# KiCad board Pico Debugger.kicad_pcb
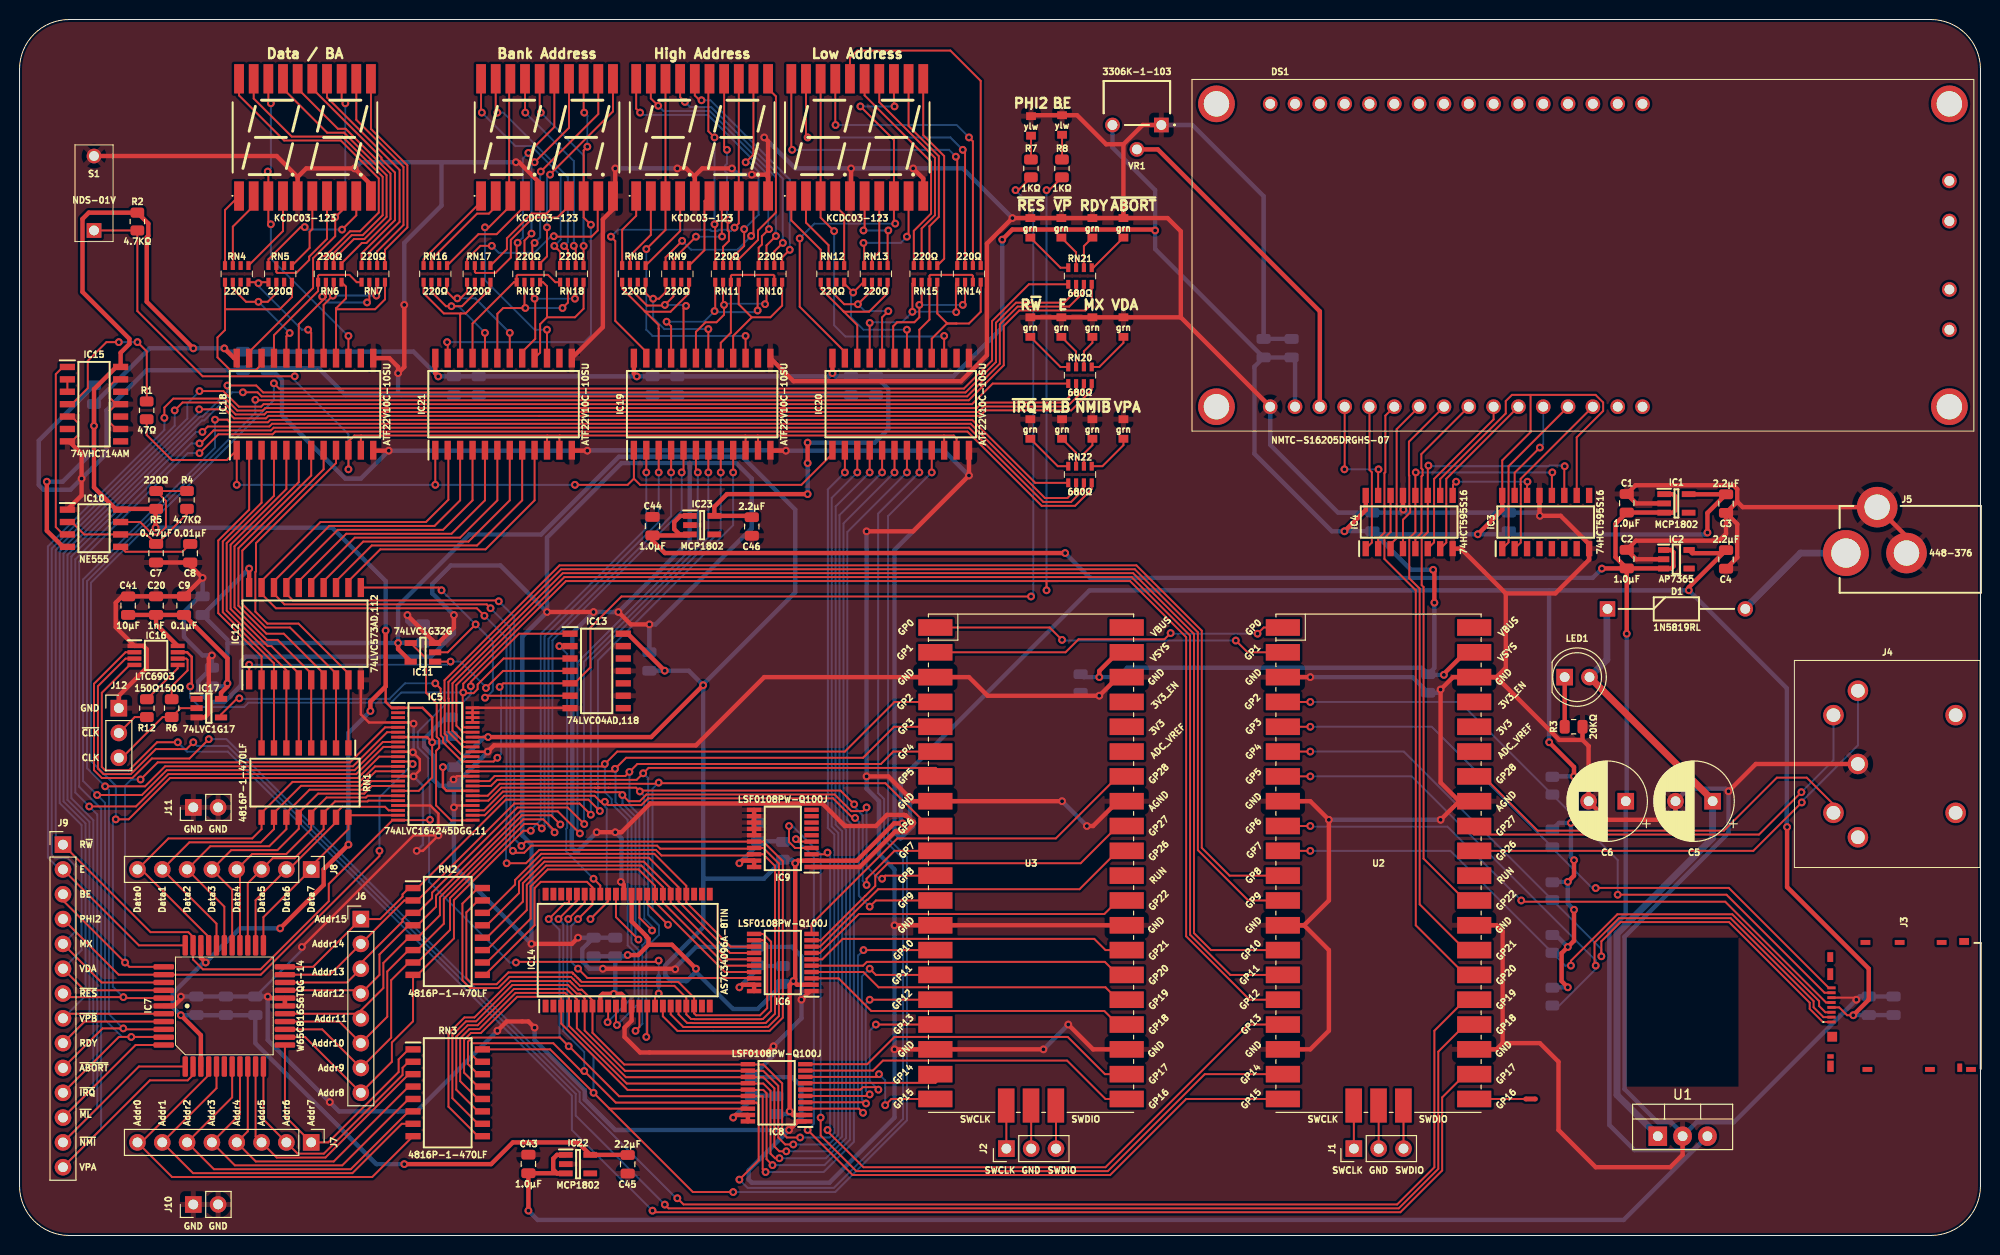
[diagram p0: board, top side]
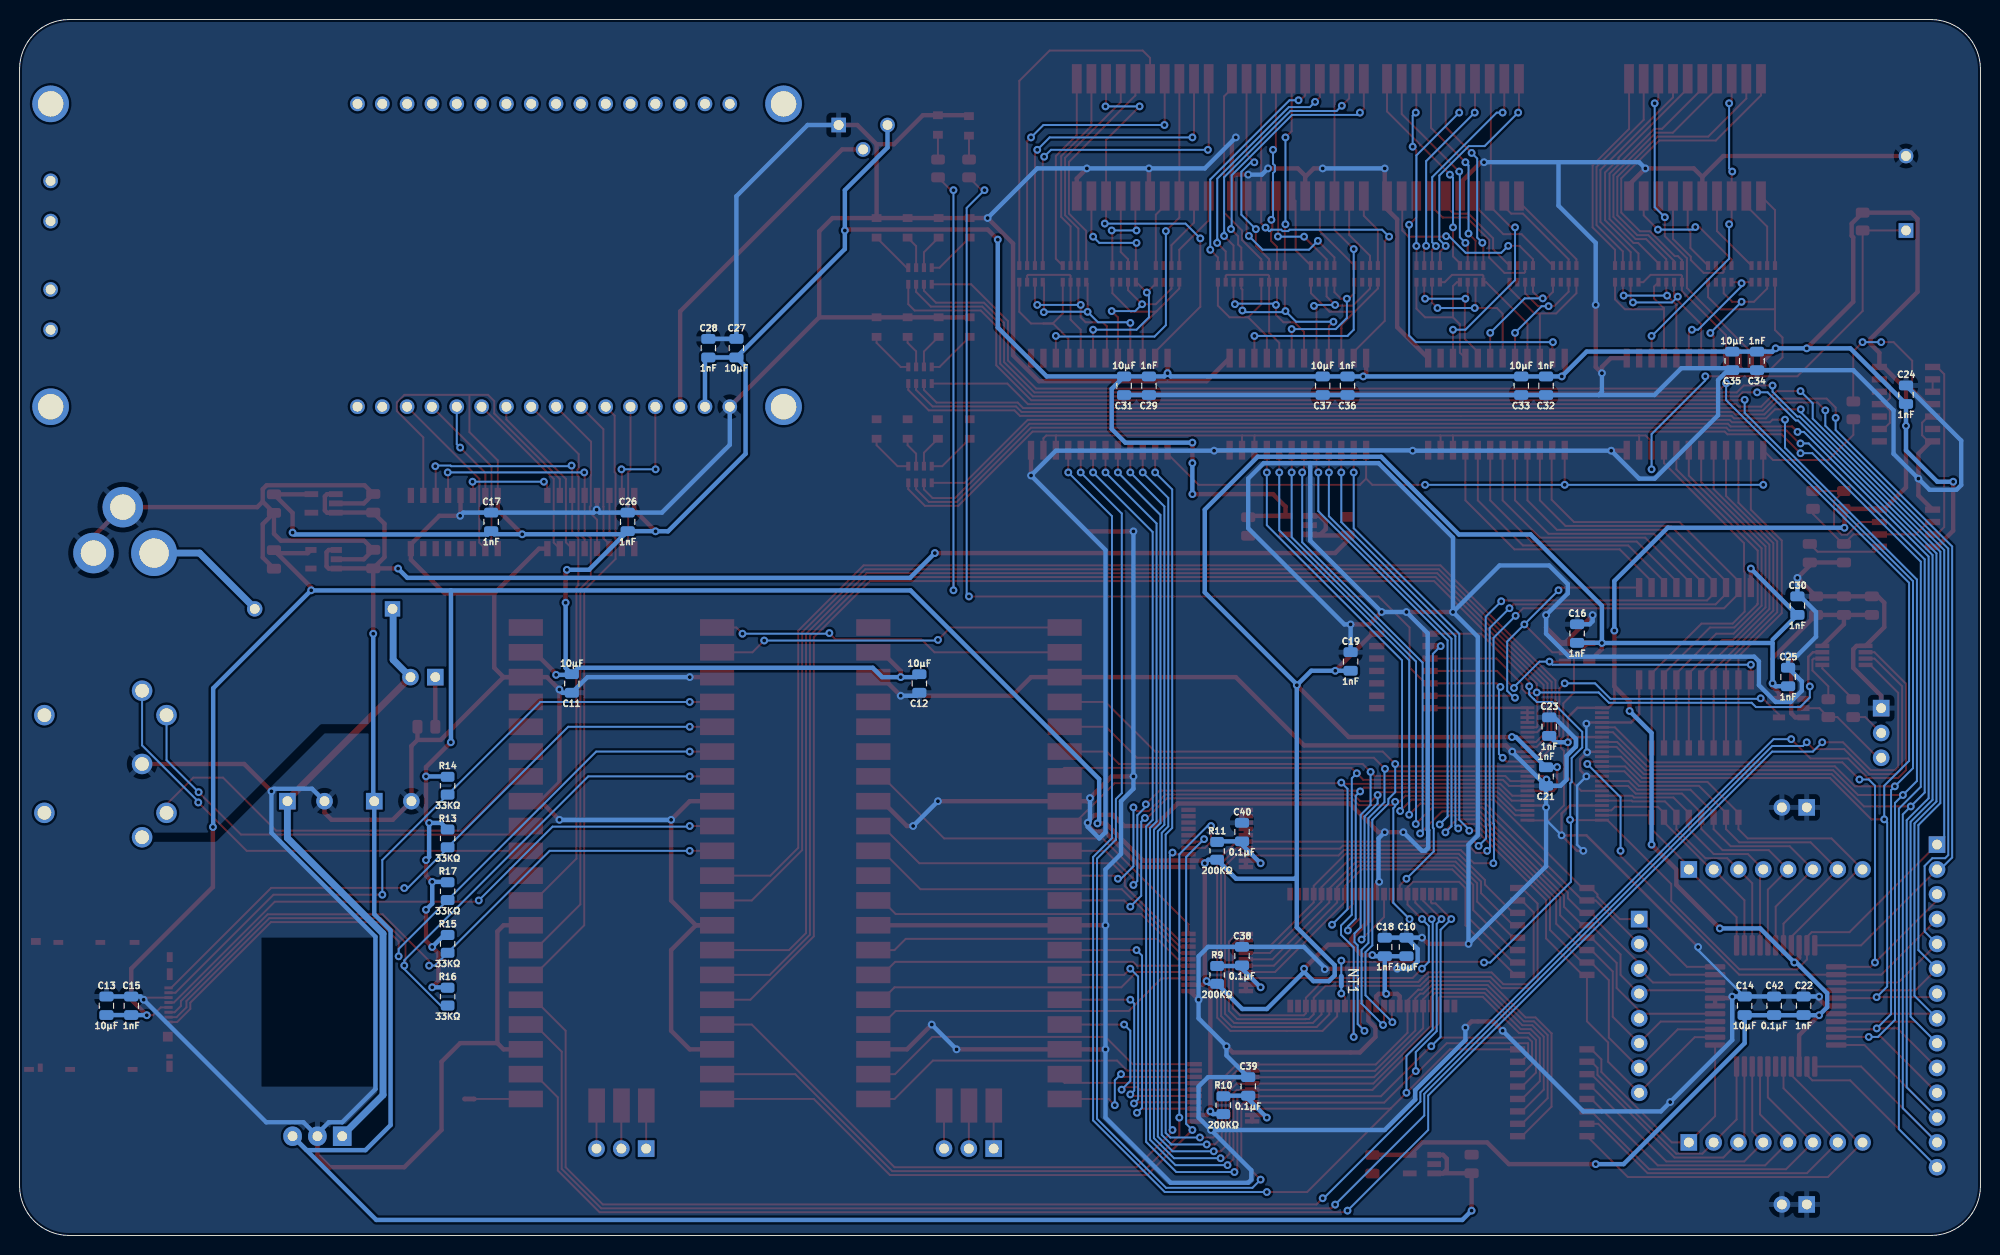
[diagram p1: board, bottom side, seen from below]

Outline 200.66 x 124.46 mm; copper layers: Top, Bottom. Coordinates in mm from the lower left corner of the outline.
Outline path: 0,119.38 arc(1.49,122.97) 5.08,124.46 195.58,124.46 arc(199.17,122.97) 200.66,119.38 200.66,5.08 arc(199.17,1.49) 195.58,0 5.08,0 arc(1.49,1.49) 0,5.08 0,119.38
Stack: Top 0.035mm / dielectric 1.51mm FR4 er 4.5 / Bottom 0.035mm

## Placement (name value [footprint] x y rotation side)
C1  -  [C_0805]  164.46 74.93 0 top
C2  -  [C_0805]  164.46 69.22 0 top
C3  -  [C_0805]  174.62 74.93 180 top
C4  -  [C_0805]  174.62 69.22 180 top
C5  C_Polarized  [CP_Radial_D8.0mm_P3.80mm]  173.25 44.45 180 top
C6  C_Polarized  [CP_Radial_D8.0mm_P3.80mm]  164.36 44.45 180 top
C7  -  [C_0805]  13.97 69.85 180 top
C8  -  [C_0805]  17.46 69.85 180 top
C9  -  [C_0805]  16.83 64.45 0 top
C10  -  [C_0805]  58.74 29.51 180 bottom
C11  -  [C_0805]  144.14 56.52 0 bottom
C12  -  [C_0805]  108.58 56.52 0 bottom
C13  -  [C_0805]  191.77 23.5 180 bottom
C14  -  [C_0805]  24.13 23.5 180 bottom
C15  -  [C_0805]  189.23 23.5 180 bottom
C16  -  [C_0805]  41.28 61.6 180 bottom
C17  -  [C_0805]  152.4 73.03 180 bottom
C18  -  [C_0805]  60.96 29.51 180 bottom
C19  -  [C_0805]  64.45 58.74 180 bottom
C20  -  [C_0805]  13.97 64.45 0 top
C21  -  [C_0805]  44.45 46.99 0 bottom
C22  -  [C_0805]  18.1 23.5 180 bottom
C23  -  [C_0805]  44.13 52.07 180 bottom
C24  -  [C_0805]  7.62 86.04 180 bottom
C25  -  [C_0805]  19.69 57.15 180 bottom
C26  -  [C_0805]  138.43 73.03 180 bottom
C27  -  [C_0805]  127.3 90.81 180 bottom
C28  -  [C_0805]  130.18 90.81 180 bottom
C29  -  [C_0805]  85.09 87 0 bottom
C30  -  [C_0805]  18.73 64.45 180 bottom
C31  -  [C_0805]  87.63 87 0 bottom
C32  -  [C_0805]  44.45 87 0 bottom
C33  -  [C_0805]  46.99 87 0 bottom
C34  -  [C_0805]  22.86 89.54 0 bottom
C35  -  [C_0805]  25.4 89.54 0 bottom
C36  -  [C_0805]  64.77 87 0 bottom
C37  -  [C_0805]  67.31 87 0 bottom
C38  -  [C_0805]  75.56 28.58 180 bottom
C39  -  [C_0805]  74.93 15.24 180 bottom
C40  -  [C_0805]  75.56 41.28 180 bottom
C41  -  [C_0805]  11.11 64.45 0 top
C42  -  [C_0805]  21.11 23.5 180 bottom
C43  -  [C_0805]  52.07 7.3 0 top
C44  -  [C_0805]  64.77 72.59 0 top
C45  -  [C_0805]  62.23 7.3 180 top
C46  -  [C_0805]  74.93 72.59 180 top
D1  1N5819RL  [DIOAD1414W86L464D238]  162.5 64.13 0 top
DS1  NMTC-S16205DRGHS-07  [NMTCS16205DRGHS07_1]  127.98 84.83 0 top
DS2  KCDC03-123  [KCDC03123]  29.21 112.4 0 top
DS3  KCDC03-123  [KCDC03123]  69.85 112.4 0 top
DS4  KCDC03-123  [KCDC03123]  85.72 112.4 0 top
DS5  KCDC03-123  [KCDC03123]  53.97 112.4 0 top
IC1  MCP1802T-5002I_OT  [SOT95P270X145-5N]  169.55 74.93 0 top
IC2  AP7365-33WG-7  [SOT95P285X130-5N]  169.55 69.22 0 top
IC3  74HCT595S16  [SOIC127P600X175-16N]  156.17 73.03 90 top
IC4  74HCT595S16  [SOIC127P600X175-16N]  142.2 73.03 90 top
IC5  74ALVC164245DGG,11  [SOP50P810X120-48N]  42.55 48.26 0 top
IC6  LSF0108PW-Q100J  [SOP65P640X110-20N]  78.11 27.94 180 top
IC7  W65C816S6TQG-14  [W65C816 PLCC 0.8mm 44 Pin]  20.95 23.5 90 top
IC8  LSF0108PW-Q100J  [SOP65P640X110-20N]  77.47 14.61 180 top
IC9  LSF0108PW-Q100J  [SOP65P640X110-20N]  78.11 40.64 180 top
IC10  NE555DRG4  [SOIC127P600X175-8N]  7.62 72.39 0 top
IC11  74LVC1G32GV,125  [SOT95P275X110-5N]  41.28 59.69 180 top
IC12  74LVC573AD,112  [SOIC127P1032X265-20N]  29.21 61.6 90 top
IC13  74LVC04AD,118  [SOIC127P600X175-14N]  59.05 57.79 0 top
IC14  AS7C34096A-8TIN  [SOP80P1176X120-44N]  62.23 29.21 90 top
IC15  74VHCT14AM  [SOIC127P600X175-14N]  7.62 85.09 0 top
IC16  LTC6903CMS8#PBF  [SOP65P490X110-8N]  13.97 59.37 0 top
IC17  74LVC1G17GV,125  [SOT95P275X110-5N]  19.37 53.98 0 top
IC18  ATF22V10C-10SU  [SOIC127P1032X265-24N]  29.21 85.09 90 top
IC19  ATF22V10C-10SU  [SOIC127P1032X265-24N]  69.85 85.09 90 top
IC20  ATF22V10C-10SU  [SOIC127P1032X265-24N]  90.17 85.09 90 top
IC21  ATF22V10C-10SU  [SOIC127P1032X265-24N]  49.53 85.09 90 top
IC22  MCP1802T-5002I_OT  [SOT95P270X145-5N]  57.15 7.3 0 top
IC23  MCP1802T-5002I_OT  [SOT95P270X145-5N]  69.85 72.71 0 top
J1  Conn_01x03_Male  [PinHeader_1x03_P2.54mm_Vertical]  136.54 8.89 90 top
J2  Conn_01x03_Male  [PinHeader_1x03_P2.54mm_Vertical]  100.98 8.89 90 top
J3  SDHR-8BRS-K-363-A0-S-ETB(HF)  [SDHR8BRSK363A0SETBHF]  193.04 23.5 90 top
J4  491-087  [491087]  198.12 43.26 180 top
J5  448-376  [448376]  198.12 69.85 0 top
J6  Conn_01x08_Male  [PinHeader_1x08_P2.54mm_Vertical]  34.92 32.39 0 top
J7  Conn_01x08_Male  [PinHeader_1x08_P2.54mm_Vertical]  29.84 9.53 270 top
J8  Conn_01x08_Male  [PinHeader_1x08_P2.54mm_Vertical]  29.84 37.47 270 top
J9  Conn_01x14_Male  [PinHeader_1x14_P2.54mm_Vertical]  4.45 40.01 0 top
J10  Conn_01x02_Male  [PinHeader_1x02_P2.54mm_Vertical]  17.78 3.18 90 top
J11  Conn_01x02_Male  [PinHeader_1x02_P2.54mm_Vertical]  17.78 43.82 90 top
J12  Conn_01x03_Male  [PinHeader_1x03_P2.54mm_Vertical]  10.16 53.98 0 top
LED1  LED_Small_Filled  [LED_D5.0mm]  158.12 57.15 0 top
LED2  150224YS73100A  [150224BS73100A]  103.51 113.57 180 top
LED3  150224YS73100A  [150224BS73100A]  106.68 113.67 180 top
LED4  -  [150224VS73100A]  103.43 92.98 180 top
LED5  -  [150224VS73100A]  106.61 92.98 180 top
LED6  -  [150224VS73100A]  109.79 92.98 180 top
LED7  -  [150224VS73100A]  112.96 92.98 180 top
LED8  -  [150224VS73100A]  103.43 103.14 180 top
LED9  -  [150224VS73100A]  106.61 103.14 180 top
LED10  -  [150224VS73100A]  109.79 103.14 180 top
LED11  -  [150224VS73100A]  112.96 103.14 180 top
LED12  -  [150224VS73100A]  103.43 82.55 180 top
LED13  -  [150224VS73100A]  106.68 82.55 180 top
LED14  -  [150224VS73100A]  109.79 82.55 180 top
LED15  -  [150224VS73100A]  112.96 82.55 180 top
NT1  NetTie  [NetTie-2_SMD_Pad0.5mm]  65.41 26.04 270 bottom
NT2  NetTie  [NetTie-2_SMD_Pad0.5mm]  154.62 13.97 0 top
R1  -  [R_0805]  13.02 84.46 0 top
R2  -  [R_0805]  12.06 103.78 0 top
R3  -  [R_0805]  159.03 52.08 90 top
R4  -  [R_0805]  17.14 75.29 0 top
R5  -  [R_0805]  13.97 75.29 180 top
R6  -  [R_0805]  15.56 53.98 180 top
R7  -  [R_0805]  103.51 109.22 0 top
R8  -  [R_0805]  106.68 109.22 0 top
R9  -  [R_0805]  78.11 26.67 180 bottom
R10  -  [R_0805]  77.47 13.34 180 bottom
R11  -  [R_0805]  78.11 39.37 180 bottom
R12  -  [R_0805]  13.02 53.98 180 top
R13  -  [R_0805]  156.85 40.64 180 bottom
R14  -  [R_0805]  156.85 46.04 180 bottom
R15  -  [R_0805]  156.85 29.85 180 bottom
R16  -  [R_0805]  156.85 24.45 180 bottom
R17  -  [R_0805]  156.85 35.24 180 bottom
RN1  4816P-1-470LF  [SOIC127P762X240-16N]  29.21 46.36 270 top
RN2  4816P-1-470LF  [SOIC127P762X240-16N]  43.81 31.12 0 top
RN3  4816P-1-470LF  [SOIC127P762X240-16N]  43.81 14.61 0 top
RN4  CAY16-221J4LF  [CAY1647R0F4LF]  22.23 98.43 0 top
RN5  CAY16-221J4LF  [CAY1647R0F4LF]  26.67 98.43 0 top
RN6  CAY16-221J4LF  [CAY1647R0F4LF]  31.75 98.43 180 top
RN7  CAY16-221J4LF  [CAY1647R0F4LF]  36.19 98.43 180 top
RN8  CAY16-221J4LF  [CAY1647R0F4LF]  62.86 98.43 0 top
RN9  CAY16-221J4LF  [CAY1647R0F4LF]  67.31 98.43 0 top
RN10  CAY16-221J4LF  [CAY1647R0F4LF]  76.83 98.43 180 top
RN11  CAY16-221J4LF  [CAY1647R0F4LF]  72.39 98.43 180 top
RN12  CAY16-221J4LF  [CAY1647R0F4LF]  83.19 98.43 0 top
RN13  CAY16-221J4LF  [CAY1647R0F4LF]  87.63 98.43 0 top
RN14  CAY16-221J4LF  [CAY1647R0F4LF]  97.15 98.43 180 top
RN15  CAY16-221J4LF  [CAY1647R0F4LF]  92.71 98.43 180 top
RN16  CAY16-221J4LF  [CAY1647R0F4LF]  42.55 98.43 0 top
RN17  CAY16-221J4LF  [CAY1647R0F4LF]  46.99 98.43 0 top
RN18  CAY16-221J4LF  [CAY1647R0F4LF]  56.52 98.43 180 top
RN19  CAY16-221J4LF  [CAY1647R0F4LF]  52.07 98.43 180 top
RN20  CAY16-681J4LF  [CAY16-J4]  108.52 88.05 0 top
RN21  CAY16-681J4LF  [CAY16-J4]  108.52 98.21 0 top
RN22  CAY16-681J4LF  [CAY16-J4]  108.52 77.89 0 top
S1  NDS-01V  [NDS01V]  7.62 102.87 0 top
U1  L7806  [TO-220-3_Vertical]  167.64 10.16 0 top
U2  Pico  [RPi_Pico_SMD]  139.06 38.1 0 top
U3  Pico  [RPi_Pico_SMD]  103.51 38.1 0 top
VR1  3306K-1-103  [3306K1103]  116.84 113.67 180 top

## Library data of the parts
C1 C2 C43 C44 = -: Description: 1.0µF
C3 C4 C45 C46 = -: Description: 2.2µF
C7 = -: Description: 0.47μF
C8 = -: Description: 0.01μF
C9 C38-C40 C42 = -: Description: 0.1μF
C10-C14 C27 C31 C33 C35 C37 C41 = -: Description: 10μF
C15-C26 C28-C30 C32 C34 C36 = -: Description: 1nF
D1 = -: Description: 40V Schottky diode; Arrow Price/Stock: https://www.arrow.com/en/products/1n5819rl/stmicroelectronics?region=europe; Manufacturer_Name: STMicroelectronics; Mouser Part Number: 511-1N5819-TR; Mouser Price/Stock: https://www.mouser.co.uk/ProductDetail/STMicroelectronics/1N5819RL?qs=mRqUSD7FX17%2FYMiCEfKDjA%3D%3D
DS1 = -: Description: LCD Character Display Modules & Accessories Gray Reflective; Manufacturer_Name: Microtips Technology; Mouser Part Number: 668-NC-S16205DRGHS; Mouser Price/Stock: https://www.mouser.co.uk/ProductDetail/Microtips-Technology/NMTC-S16205DRGHS-07?qs=wd5RIQLrsJjrkTMKolxTdA%3D%3D
DS2-DS5 = -: Description: green 7-seg, 2-digit LED display; Height: 4.1; Manufacturer_Name: Kingbright; Mouser Part Number: N/A; Mouser Price/Stock: http://www.mouser.com/Search/ProductDetail.aspx?qs=2JU0tDl2GZ3i3Ngnh7RV3w%3d%3d
IC1 IC22 IC23 = -: Description: 5.0V LDO regulator; Height: 1.45; Manufacturer_Name: Microchip; Manufacturer_Part_Number: MCP1802T-5002I/OT; Mouser Part Number: 579-MCP1802T-5002IOT; Mouser Price/Stock: https://www.mouser.co.uk/ProductDetail/Microchip-Technology/MCP1802T-5002I-OT?qs=aE5D7Pt6ky0Y5Ywtpqsmzw%3D%3D; Silkscreen: MCP1802
IC2 = -: Description: 3.3V LDO voltage regulator; Arrow Price/Stock: https://www.arrow.com/en/products/ap7365-33wg-7/diodes-incorporated?region=nac; Height: 1.3; Manufacturer_Name: Diodes Inc.; Mouser Part Number: 621-AP7365-33WG-7; Mouser Price/Stock: https://www.mouser.co.uk/ProductDetail/Diodes-Incorporated/AP7365-33WG-7?qs=abZ1nkZpTuOZFvxvoFPL0w%3D%3D; Silkscreen: AP7365
IC3 IC4 = -: Description: 8-bit serial-in shift register; Height: 1.75; Manufacturer_Name: Diodes Inc.; Manufacturer_Part_Number: 74HCT595S16-13; Mouser Part Number: 621-74HCT595S16-13; Mouser Price/Stock: https://www.mouser.co.uk/ProductDetail/Diodes-Incorporated/74HCT595S16-13?qs=Oxncjon6mbpgzt%2FDZvS0qg%3D%3D
IC5 = -: Description: 16-bit translating transceiver; Height: 1.2; Manufacturer_Name: Nexperia; Manufacturer_Part_Number: 74ALVC164245DGG:11; Mouser Part Number: 771-74ALVC164245; Mouser Price/Stock: https://www.mouser.co.uk/ProductDetail/Nexperia/74ALVC164245DGG11?qs=odJ8N4Y39o4j0ykFPcnqaQ%3D%3D
IC6 IC8 IC9 = -: Description: 8-bit voltage translator; Height: 1.1; Manufacturer_Name: Nexperia; Mouser Part Number: 771-LSF0108PW-Q100J; Mouser Price/Stock: https://www.mouser.co.uk/ProductDetail/Nexperia/LSF0108PW-Q100J?qs=Cb2nCFKsA8oA3dbgQ4q7XA%3D%3D
IC7 = -: Description: W65C816; Height: 4.57; Manufacturer_Name: Western Design Center (WDC); Mouser Part Number: 955-W65C816S6TQG-14; Mouser Price/Stock: https://www.mouser.co.uk/ProductDetail/Western-Design-Center-WDC/W65C816S6TQG-14?qs=9lcNTSmDlCpDFNJ8GRf7eQ%3D%3D
IC10 = -: Description: precision timer; Height: 1.75; Manufacturer_Name: Texas Instruments; Mouser Part Number: 595-NE555DRG4; Mouser Price/Stock: https://www.mouser.co.uk/ProductDetail/Texas-Instruments/NE555DRG4?qs=rLYyFdxB%2FmreBHawQCpQ0Q%3D%3D; Silkscreen: NE555
IC11 = -: Description: 2-input OR gate; Height: 1.1; Manufacturer_Name: Nexperia; Mouser Part Number: 771-LVC1G32GV125; Mouser Price/Stock: https://www.mouser.co.uk/ProductDetail/Nexperia/74LVC1G32GV125?qs=me8TqzrmIYXExQH4V9SARg%3D%3D; Silkscreen: 74LVC1G32G
IC12 = -: Description: 8-bit D-type latch; Height: 2.65; Manufacturer_Name: Nexperia; Mouser Part Number: 771-LVC573AD112; Mouser Price/Stock: https://www.mouser.co.uk/ProductDetail/Nexperia/74LVC573AD112?qs=me8TqzrmIYXKzcT3xa95WQ%3D%3D
IC13 = -: Description: inverter; Height: 1.75; Manufacturer_Name: Nexperia; Mouser Part Number: 771-74LVC04AD-T; Mouser Price/Stock: https://www.mouser.co.uk/ProductDetail/Nexperia/74LVC04AD118?qs=me8TqzrmIYWth3Q0Nudt8A%3D%3D
IC14 = -: Description: 512K 8-bit SRAM; Height: 1.2; Manufacturer_Name: Alliance Memory; Mouser Part Number: 913-AS7C34096A-8TIN; Mouser Price/Stock: https://www.mouser.co.uk/ProductDetail/Alliance-Memory/AS7C34096A-8TIN?qs=iyLo5FA4poBS8QHXJOzn5g%3D%3D
IC15 = -: Description: inverter; Arrow Price/Stock: https://www.arrow.com/en/products/74vhct14am/on-semiconductor; Height: 1.75; Manufacturer_Name: onsemi; Mouser Part Number: 512-74VHCT14AM; Mouser Price/Stock: https://www.mouser.com/Search/Refine.aspx?Keyword=512-74VHCT14AM
IC16 = -: Description: SPI clock 1KHz - 68MHz; Height: 1.1; Manufacturer_Name: Analog Devices; Silkscreen: LTC6903
IC17 = -: Description: Schmitt buffer; Height: 1.1; Manufacturer_Name: Nexperia; Mouser Part Number: 771-LVC1G17GV125; Mouser Price/Stock: https://www.mouser.co.uk/ProductDetail/Nexperia/74LVC1G17GV125?qs=me8TqzrmIYX3DxU5Fpa8sQ%3D%3D; Silkscreen: 74LVC1G17
IC18-IC21 = -: Description: 500 gate SPLD 10nS; Arrow Price/Stock: https://www.arrow.com/en/products/atf22v10c-10su/microchip-technology?region=nac; Height: 2.65; Manufacturer_Name: Microchip; Mouser Part Number: 556-ATF22V10C-10SU; Mouser Price/Stock: https://www.mouser.co.uk/ProductDetail/Microchip-Technology/ATF22V10C-10SU?qs=5h0i3Kr%252BAn1OOXkPIe2X2A%3D%3D
J3 = -: Description: Micro SD Card Socket; Height: 1.4; Manufacturer_Name: JST (JAPAN SOLDERLESS TERMINALS)
J4 = -: Description: 5 Pin Din Socket; Height: 19.6; Manufacturer_Name: RS Components
J5 = -: Description: DC socket; Height: 11; Manufacturer_Name: RS Components
LED2 LED3 = -: Description: yellow LED; Height: 1.41; Manufacturer_Name: Wurth Elektronik; Silkscreen: ylw
LED4-LED15 = -: Description: green LED; Height: 1.41; Manufacturer_Name: Wurth Elektronik; Mouser Part Number: 710-150224VS73100A; Mouser Price/Stock: https://www.mouser.co.uk/ProductDetail/Wurth-Elektronik/150224VS73100A?qs=8Aam6%252B7C6HG2%2FfdOsQ%2FdNg%3D%3D; Silkscreen: grn
R1 = -: Description: 47Ω
R2 R4 = -: Description: 4.7KΩ
R3 = -: Description: 20KΩ
R5 = -: Description: 220Ω
R6 R12 = -: Description: 150Ω
R7 R8 = -: Description: 1KΩ
R9-R11 = -: Description: 200KΩ
R13-R17 = -: Description: 33KΩ
RN1-RN3 = -: Description: 47Ω 8-array resistor; Arrow Price/Stock: https://www.arrow.com/en/products/4816p-1-470lf/bourns; Height: 2.4; Manufacturer_Name: Bourns; Mouser Part Number: 652-4816P-1LF-47; Mouser Price/Stock: https://www.mouser.co.uk/ProductDetail/Bourns/4816P-1-470LF?qs=mkjPM10ZYVYQYl61r%252BeeAg%3D%3D
RN4-RN19 = -: Description: 220Ω 4-array resistor; Arrow Price/Stock: https://www.arrow.com/en/products/cay16-221j4lf/bourns?region=nac; Height: 0.6; Manufacturer_Name: Bourns; Mouser Part Number: 652-CAY16-221J4LF; Mouser Price/Stock: https://www.mouser.co.uk/ProductDetail/Bourns/CAY16-221J4LF?qs=BKfsZh40Pd9sAo64tUrb9Q%3D%3D; Silkscreen: 220Ω
RN20-RN22 = -: Description: 680Ω 4-array resistor; Manufacturer_Name: Bourns; Mouser Part Number: 652-CAY16-681J4LF; Mouser Price/Stock: https://www.mouser.co.uk/ProductDetail/Bourns/CAY16-472J4LF?qs=vjljXApjgZXDWSqaYW6%252BOA%3D%3D; Silkscreen: 680Ω
S1 = -: Description: 1-switch DIP; Height: 7.05; Manufacturer_Name: Diptronics; Mouser Part Number: 113-NDS01V; Mouser Price/Stock: https://www.mouser.co.uk/ProductDetail/Diptronics/NDS-01V?qs=MLItCLRbWsybtV%2FSbz3VEA%3D%3D
VR1 = -: Description: 10KΩ trimmer resistor; Arrow Price/Stock: https://www.arrow.com/en/products/3306k-1-103/bourns?region=nac; Height: 8.91; Manufacturer_Name: Bourns; Mouser Part Number: 652-3306K-1-103; Mouser Price/Stock: https://www.mouser.co.uk/ProductDetail/Bourns/3306K-1-103?qs=K23waP7TVs7Jf7Qc04mQhQ%3D%3D

## Footprints (pads in the part's own frame, mm; a bottom-side part is the same pattern mirrored in y, then rotated)
3306K1103
  rect 1.5x1.5 hole 1: 1(0,0)
  round 1.5 hole 1: 2(2.5,2.5) 3(5,0)
150224BS73100A
  rect 1x0.8 smd: 1(0,-1) 2(0,1)
150224VS73100A
  rect 1x0.8 smd: 1(0,-1) 2(0,1)
448376
  round 4.7 hole 3: A1(-11.227,0)
  round 4.15 hole 2.6: B1(-8.027,4.7) C1(-5.027,0)
491087
  round 2.1 hole 1.4: 1(10,-12.5) 2(10,-5) 3(10,2.5) 4(12.5,-10) 5(12.5,0) 6(0,-10) 7(0,0)
C_0805
  rrect 1.45x1 smd: 1(0,-0.934) 2(0,0.966)
CAY16-J4
  rect 0.425x0.9 smd: 1(-1.2,-0.85) 2(-0.4,-0.85) 3(0.4,-0.85) 4(1.2,-0.85) 5(1.2,0.85) 6(0.4,0.85) 7(-0.4,0.85) 8(-1.2,0.85)
CAY1647R0F4LF
  rect 0.425x0.9 smd: 1(-1.2,-0.85) 2(-0.4,-0.85) 3(0.4,-0.85) 4(1.2,-0.85) 5(1.2,0.85) 6(0.4,0.85) 7(-0.4,0.85) 8(-1.2,0.85)
CP_Radial_D8.0mm_P3.80mm
  rect 1.7x1.7 hole 1: 1(0,0)
  round 1.7 hole 1: 2(3.8,0)
DIOAD1414W86L464D238
  rect 1.575x1.575 hole 1: 1(0,0)
  round 1.575 hole 1: 2(14.1,0)
KCDC03123
  rect 1x3 smd: 1(-6.75,-6) 2(-5.25,-6) 3(-3.75,-6) 4(-2.25,-6) 5(-0.75,-6) 6(0.75,-6) 7(2.25,-6) 8(3.75,-6) 9(5.25,-6) 10(6.75,-6) 11(6.75,6) 12(5.25,6) 13(3.75,6) 14(2.25,6) 15(0.75,6) 16(-0.75,6) 17(-2.25,6) 18(-3.75,6) 19(-5.25,6) 20(-6.75,6)
LED_D5.0mm
  rect 1.7x1.7 hole 1: 1(0,0)
  round 1.7 hole 1: 2(2.54,0)
NDS01V
  rect 1.509x1.509 hole 1: 1(0,0)
  round 1.509 hole 1: 2(0,7.62)
NetTie-2_SMD_Pad0.5mm
  round 0.5 smd: 1(-0.5,0) 2(0.5,0)
NMTCS16205DRGHS07_1
  round 1.5 hole 1: 1(0,0) 2(2.54,0) 3(5.08,0) 4(7.62,0) 5(10.16,0) 6(12.7,0) 7(15.24,0) 8(17.78,0) 9(20.32,0) 10(22.86,0) 11(25.4,0) 12(27.94,0) 13(30.48,0) 14(33.02,0) 15(35.56,0) 16(38.1,0) 17(0,31) 18(2.54,31) 19(5.08,31) 20(7.62,31) 21(10.16,31) 22(12.7,31) 23(15.24,31) 24(17.78,31) 25(20.32,31) 26(22.86,31) 27(25.4,31) 28(27.94,31) 29(30.48,31) 30(33.02,31) 31(35.56,31) 32(38.1,31) A1(69.5,23.12) A2(69.5,19) K1(69.5,12) K2(69.5,7.88)
  round 3.75 hole 2.6: MH1(-5.5,0) MH2(-5.5,31) MH3(69.5,31) MH4(69.5,0)
PinHeader_1x02_P2.54mm_Vertical
  rect 1.7x1.7 hole 1: 1(0,0)
  oval 1.7x1.7 hole 1: 2(0,-2.54)
PinHeader_1x03_P2.54mm_Vertical
  rect 1.7x1.7 hole 1: 1(0,0)
  oval 1.7x1.7 hole 1: 2(0,-2.54) 3(0,-5.08)
PinHeader_1x08_P2.54mm_Vertical
  rect 1.7x1.7 hole 1: 1(0,0)
  oval 1.7x1.7 hole 1: 2(0,-2.54) 3(0,-5.08) 4(0,-7.62) 5(0,-10.16) 6(0,-12.7) 7(0,-15.24) 8(0,-17.78)
PinHeader_1x14_P2.54mm_Vertical
  rect 1.7x1.7 hole 1: 1(0,0)
  oval 1.7x1.7 hole 1: 2(0,-2.54) 3(0,-5.08) 4(0,-7.62) 5(0,-10.16) 6(0,-12.7) 7(0,-15.24) 8(0,-17.78) 9(0,-20.32) 10(0,-22.86) 11(0,-25.4) 12(0,-27.94) 13(0,-30.48) 14(0,-33.02)
R_0805
  rrect 1.4x1.025 smd: 1(-0.01,-0.912) 2(-0.01,0.912)
RPi_Pico_SMD
  rect 3.5x1.7 smd: 1(-8.89,24.13) 2(-8.89,21.59) 3(-8.89,19.05) 4(-8.89,16.51) 5(-8.89,13.97) 6(-8.89,11.43) 7(-8.89,8.89) 8(-8.89,6.35) 9(-8.89,3.81) 10(-8.89,1.27) 11(-8.89,-1.27) 12(-8.89,-3.81) 13(-8.89,-6.35) 14(-8.89,-8.89) 15(-8.89,-11.43) 16(-8.89,-13.97) 17(-8.89,-16.51) 18(-8.89,-19.05) 19(-8.89,-21.59) 20(-8.89,-24.13) 21(8.89,-24.13) 22(8.89,-21.59) 23(8.89,-19.05) 24(8.89,-16.51) 25(8.89,-13.97) 26(8.89,-11.43) 27(8.89,-8.89) 28(8.89,-6.35) 29(8.89,-3.81) 30(8.89,-1.27) 31(8.89,1.27) 32(8.89,3.81) 33(8.89,6.35) 34(8.89,8.89) 35(8.89,11.43) 36(8.89,13.97) 37(8.89,16.51) 38(8.89,19.05) 39(8.89,21.59) 40(8.89,24.13)
  rect 1.7x3.5 smd: 41(-2.54,-23.9) 42(0,-23.9) 43(2.54,-23.9)
SDHR8BRSK363A0SETBHF
  rect 0.3x0.85 smd: 1(-1.65,7.625) 2(-1.15,7.625) 3(-0.65,7.625) 4(-0.15,7.625) 5(0.35,7.625) 6(0.85,7.625) 7(1.35,7.625) 8(1.85,7.625)
  rect 1x1 smd: 9(-3.15,7.55)
  rect 0.45x0.65 smd: 10(-5.175,7.725)
  rect 1.15x0.65 smd: 11(-6.175,7.725)
  rect 0.5x1 smd: 12(-6.5,3.95) 13(-6.5,-2.45) 15(-6.5,-6.65) 17(6.5,-3.65) 18(6.5,0.65) 19(6.5,4.15)
  rect 0.85x0.5 smd: 14(-6.325,-5.5)
  rect 0.7x1 smd: 16(6.6,-5.95)
  rect 1x0.6 smd: 20(5,7.75)
  rect 1.2x0.6 smd: 21(3.25,7.75)
SOIC127P600X175-8N
  rect 1.55x0.65 smd: 1(-2.725,1.905) 2(-2.725,0.635) 3(-2.725,-0.635) 4(-2.725,-1.905) 5(2.725,-1.905) 6(2.725,-0.635) 7(2.725,0.635) 8(2.725,1.905)
SOIC127P600X175-14N
  rect 1.55x0.65 smd: 1(-2.725,3.81) 2(-2.725,2.54) 3(-2.725,1.27) 4(-2.725,0) 5(-2.725,-1.27) 6(-2.725,-2.54) 7(-2.725,-3.81) 8(2.725,-3.81) 9(2.725,-2.54) 10(2.725,-1.27) 11(2.725,0) 12(2.725,1.27) 13(2.725,2.54) 14(2.725,3.81)
SOIC127P600X175-16N
  rect 1.55x0.65 smd: 1(-2.725,4.445) 2(-2.725,3.175) 3(-2.725,1.905) 4(-2.725,0.635) 5(-2.725,-0.635) 6(-2.725,-1.905) 7(-2.725,-3.175) 8(-2.725,-4.445) 9(2.725,-4.445) 10(2.725,-3.175) 11(2.725,-1.905) 12(2.725,-0.635) 13(2.725,0.635) 14(2.725,1.905) 15(2.725,3.175) 16(2.725,4.445)
SOIC127P762X240-16N
  rect 1.55x0.65 smd: 1(-3.548,4.445) 2(-3.548,3.175) 3(-3.548,1.905) 4(-3.548,0.635) 5(-3.548,-0.635) 6(-3.548,-1.905) 7(-3.548,-3.175) 8(-3.548,-4.445) 9(3.548,-4.445) 10(3.548,-3.175) 11(3.548,-1.905) 12(3.548,-0.635) 13(3.548,0.635) 14(3.548,1.905) 15(3.548,3.175) 16(3.548,4.445)
SOIC127P1032X265-20N
  rect 1.95x0.65 smd: 1(-4.725,5.715) 2(-4.725,4.445) 3(-4.725,3.175) 4(-4.725,1.905) 5(-4.725,0.635) 6(-4.725,-0.635) 7(-4.725,-1.905) 8(-4.725,-3.175) 9(-4.725,-4.445) 10(-4.725,-5.715) 11(4.725,-5.715) 12(4.725,-4.445) 13(4.725,-3.175) 14(4.725,-1.905) 15(4.725,-0.635) 16(4.725,0.635) 17(4.725,1.905) 18(4.725,3.175) 19(4.725,4.445) 20(4.725,5.715)